# KiCad board AMC_FMC_Carrier-PcbDoc.kicad_pcb (continued)
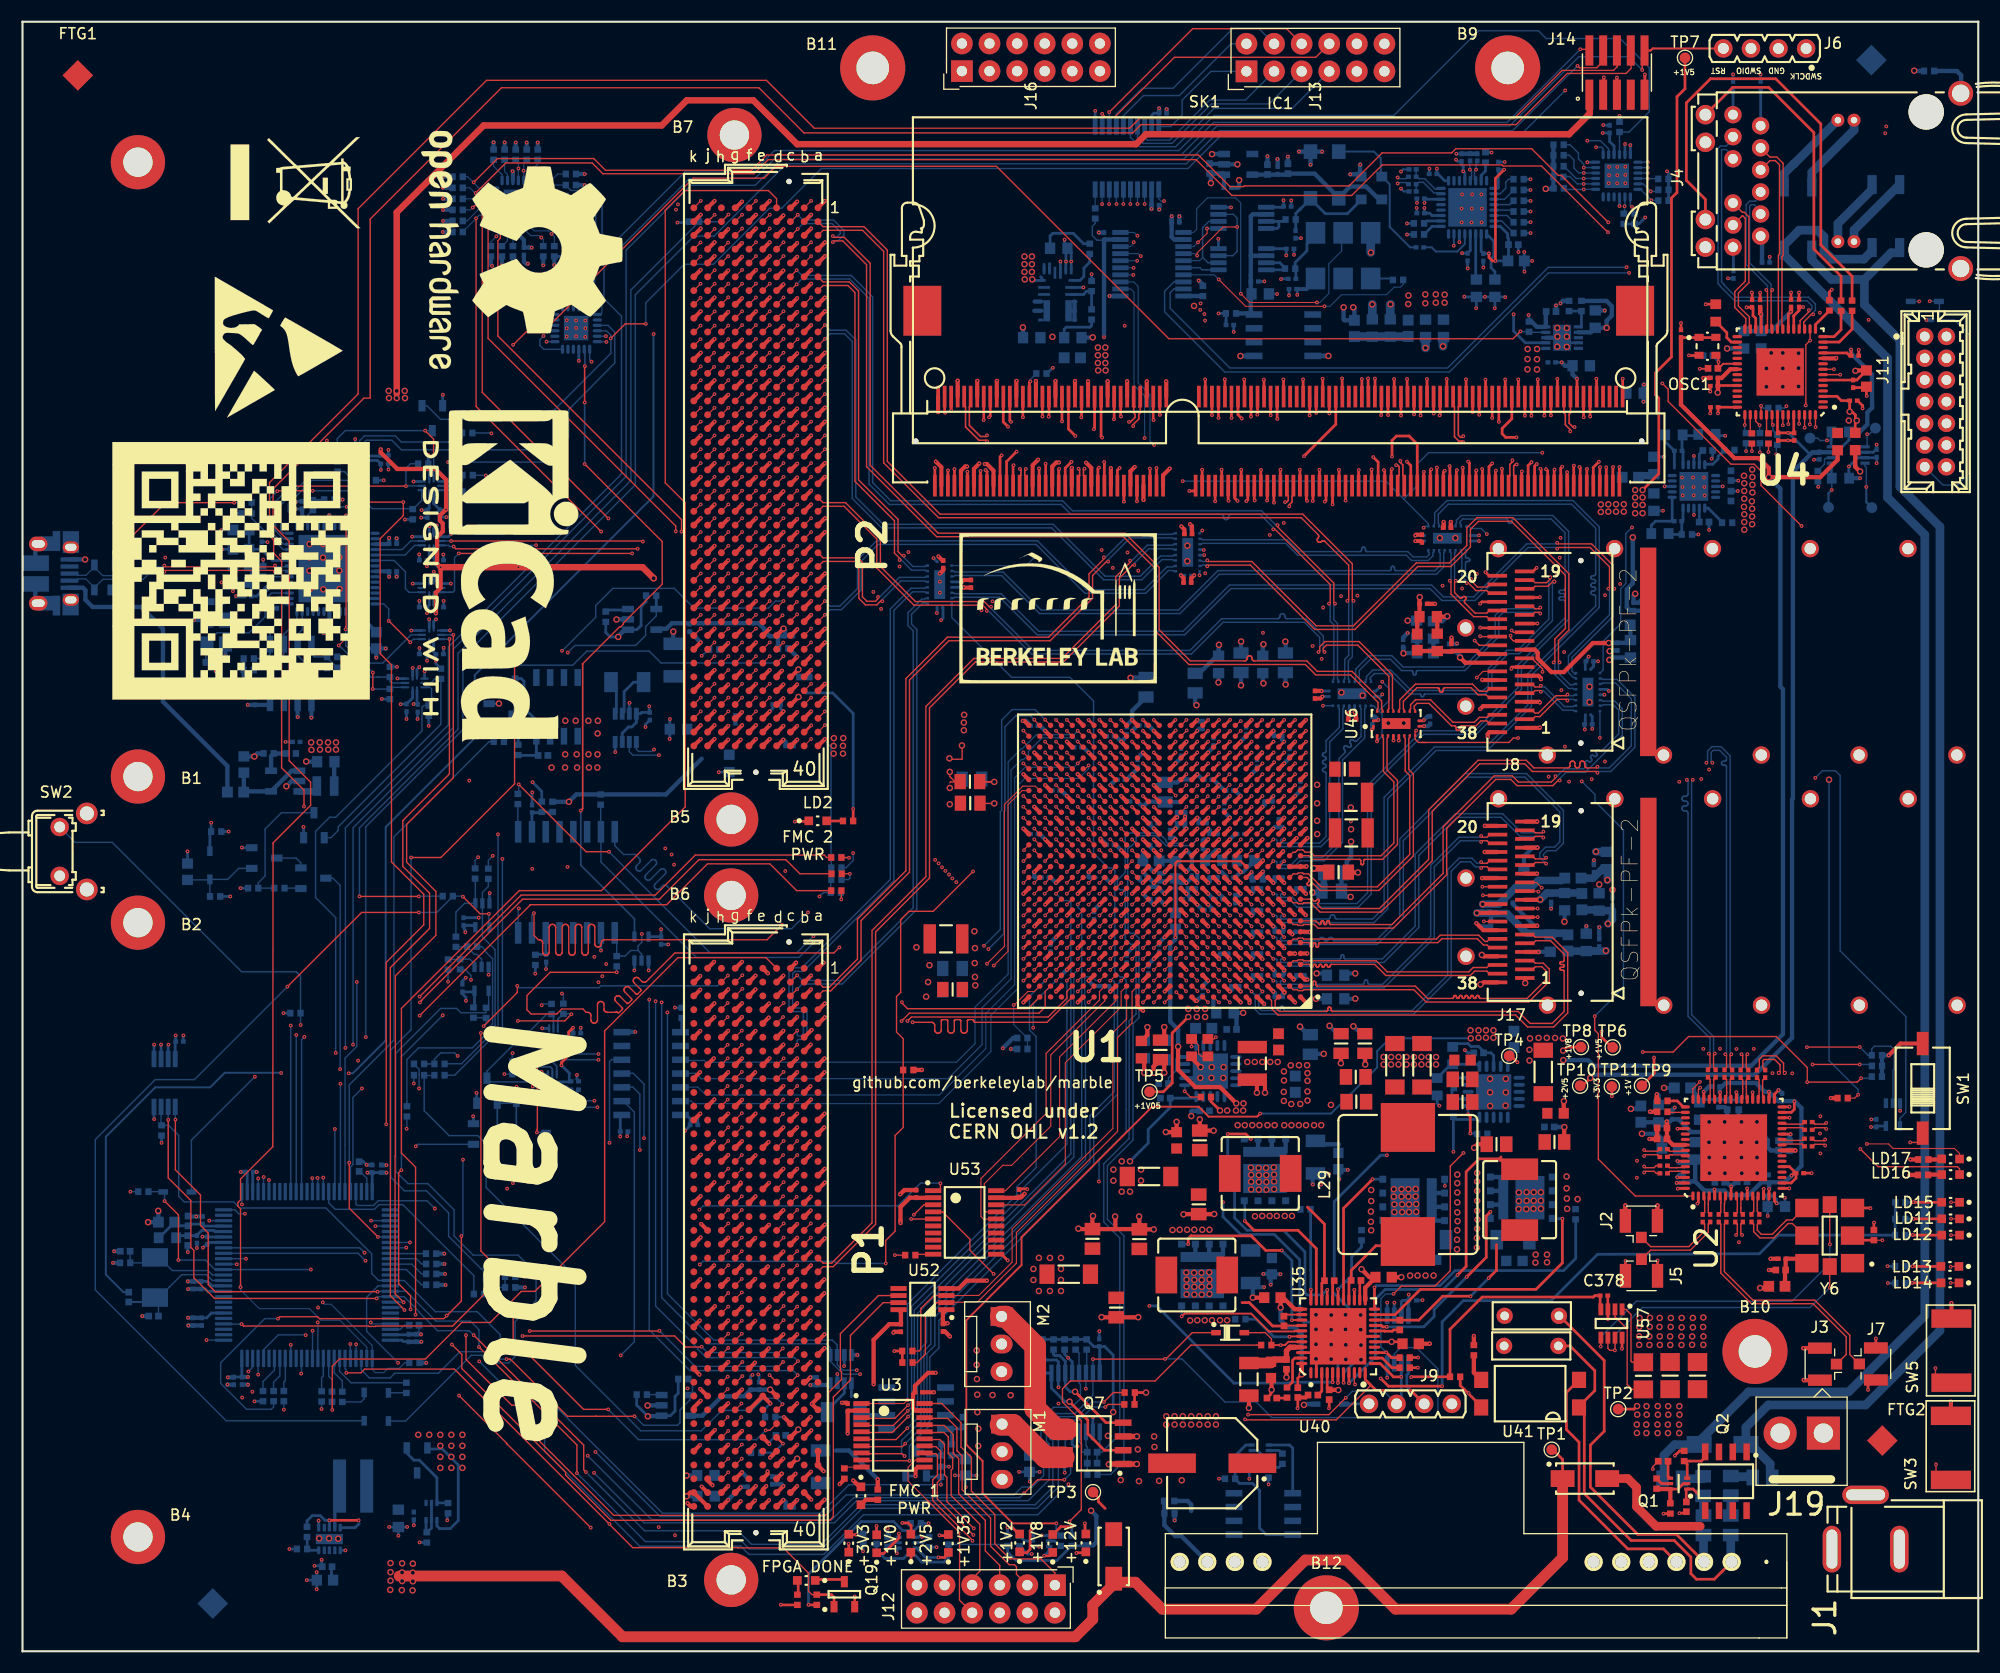
[diagram p0: board, top side]
## Routing (per net, layer and track width the routed paths; a pad name or vN(x,y) marks a point on that pad's centre or on a via; arc(x,y) is an arc through that point) (continued)
  Top w0.127: v1(169.15,46.23) 170.77,44.61 178.08,44.61 178.28,44.41 LD16.1
  In2.Cu w0.127: v1(147.86,126.88) 151.04,126.88 153.58,124.33 166.37,124.33 171.31,119.4 171.31,110.4 171.19,110.29 171.19,50.9 169.15,48.86 v1(169.15,46.23)
  Bottom w0.127: v1(147.86,126.88) 140.43,126.88 131.32,117.76 110.65,117.76 105.12,123.29 105.12,125.2 105.97,126.05 U42.8
Net-(LD16-Pad2): length 1.5
  Top w0.4: 175.47,43.93 R18.2 175.42,43.88 LD16.2 176.71,43.96
Net-(LD17-Pad1): length 162.7
  Top w0.102: LD17.1 178.28,45.82 177.82,46.28 172.16,46.28 171.74,46.7 v1(169.75,46.7)
  In2.Cu w0.127: v1(147.63,127.4) 151.29,127.4 152.65,126.04 161.04,126.04 161.04,126.04 167.48,126.04 171.73,121.8 171.73,55.33 171.42,55.02 171.42,48.37 v1(169.75,46.7)
  Bottom w0.127: U42.9 105.97,125.4 105.62,125.05 105.62,123.62 111.12,118.13 131.15,118.13 140.42,127.4 v1(147.63,127.4)
Net-(LD17-Pad2): length 1.4
  Top w0.4: 175.46,45.32 R19.2 176.71,45.27
Net-(M1-Pad1): length 7.1
  Top w2: 90.01,20.84 91.17,20.84 94.16,17.86 95.83,17.86
Net-(M1-Pad3): length 15.6
  In2.Cu w0.254: v1(95.35,24.3) 94.1,23.05 94.1,19.7 90.16,15.76 90.01,15.76
  GND5.Cu w0.254: 90.01,15.76 90.16,15.76
  Bottom w0.254: R175.2 93.88,27.17 94.23,26.81 95.15,26.81 95.34,26.63 U27.2 95.34,24.31 v1(95.35,24.3)
Net-(M2-Pad1): length 13.8
  Top w2: 90.04,30.8 90.51,30.8 93.2,28.11 93.2,22.34 95.11,20.44 96.15,20.44
Net-(M2-Pad3): length 9.2
  In2.Cu w0.254: 90.04,25.72 94.33,25.72 95.63,27.01 v1(96.23,27.01)
  Bottom w0.254: 96.58,25.58 U27.4 96.61,26.65 96.6,26.65 v1(96.23,27.01) 95.91,27.34 R177.2
Net-(P1-PadC34): length 1.6
  Top w0.381: P1.C34 v1(70.08,21.56)
  Bottom w0.2: v1(70.08,21.56) 70.07,21.56 R9.2
Net-(P1-PadD35): length 3.2
  Top w0.2: P1.D35 69.97,19.12 v1(69.99,19.12)
  Top w0.381: P1.D35 69.43,19.69
  Bottom w0.2: v1(69.99,19.12) 69.15,18.28 R10.2
Net-(P2-PadC34): length 1.7
  Top w0.381: P2.C34 70.72,90.96 v1(71.29,91.53)
  Bottom w0.4: v1(71.29,91.53) 70.71,92.12
Net-(P2-PadD35): length 10.8
  Top w0.381: P2.D35 69.4,89.77 v1(69.9,90.26)
  In4.Cu w0.127: v1(69.9,90.26) 69.45,90.71 69.45,91.84 69.07,92.22 63.09,92.22 v1(62.51,91.63)
  Bottom w0.127: R12.2 63.14,92.22 62.76,91.84 62.71,91.84 v1(62.51,91.63)
Net-(Q1-Pad2): length 4.4
  Top w0.254: Q1.6 152.37,14.93 152.87,15.43 Q1.2
  Top w0.4: R104.1 151.66,14.91 Q1.6 150.42,14.93 R107.1
Net-(Q1-Pad3): length 4.2
  Top w0.254: Q2.4 154.87,17.87 154.5,17.5 R108.1 153.21,17.22 Q1.3
Net-(Q1-Pad5): length 1.4
  Top w0.254: Q1.5 150.86,15.43 R107.2
Net-(Q6-Pad3): length 16.6
  Top w0.127: v1(37.06,112.36) 37.83,111.59 37.83,110.1 v1(37.84,110.1)
  Bottom w0.127: U26.2 37.84,110.1 v1(37.84,110.1) ; 37.84,112.29 37.77,112.36 v1(37.06,112.36) 29.7,112.36 28.97,111.62 R204.2 28.97,110.56 29.51,110.02 U33.2
Net-(Q7-Pad2): length 14.3
  Top w0.254: v2(96.36,22.98) 96.36,22.97 98.04,21.29 98.04,20.03 99.57,18.51 101.3,18.51
  Bottom w0.254: v2(96.36,22.98) 95.94,22.98 94.7,24.22 U27.1 94.25,25.6 92.86,26.99 R174.2
Net-(Q7-Pad4): length 10.8
  Top w0.254: Q7.4 99.72,21.05 v2(96.87,23.89)
  Bottom w0.254: v2(96.87,23.89) 96.42,23.89 95.97,24.34 U27.3 95.97,26.71 95.45,27.22 94.99,27.22 94.89,27.32 R176.2
Net-(Q8-Pad3): length 3.5
  Bottom w0.254: Q8.3 82.87,18.44 83.28,18.02 R202.2 R213.1
Net-(Q9-Pad3): length 5
  Bottom w0.254: R214.1 45.62,86.05 45.56,86.1 ; Q9.3 45.31,86.34 45.31,88.56
Net-(Q14-Pad1): length 1.5
  Bottom w0.127: Q14.1 25.58,70.25 R269.2
Net-(Q14-Pad2): length 2.9
  Bottom w0.127: Q18.3 25.17,73.02 25.62,72.56 Q14.2
Net-(Q15-Pad2): length 4.1
  Bottom w0.254: Q15.6 37.14,11.02 R171.1 37.25,10.95 37.64,11.34 Q15.5 Q15.2
Net-(Q15-Pad3): length 7.4
  Bottom w0.254: 35.22,18.62 35.22,18.39 36.01,17.59 36.52,17.59 38.14,15.98 Q15.3 39.07,13.66 39.09,13.64
Net-(Q16-Pad5): length 4.4
  Bottom w0.254: 76.65,22.45 R182.1 ; U17.1 76.28,23.42
  Bottom w0.4: R182.1 77.37,21.73 Q16.6
Net-(Q17-Pad3): length 13.2
  Bottom w0.127: U9.2 43.09,52.41 Q17.3 42.75,53.41 45.11,55.77 45.74,55.77 46.06,56.09 R131.2 46.06,56.63 U8.2
Net-(Q22-Pad2): length 4.3
  Bottom w0.254: Q22.2 113.67,18.48 114.17,17.98 Q22.6 114.71,16.95 R181.1 115.62,16.92 R184.1
Net-(Q22-Pad3): length 13.5
  Bottom w0.254: Q4.4 114.46,10.73 113.86,11.34 113.86,14.8 113.21,15.45 112.01,15.45 111.61,15.85 R212.1 111.61,18.01 112.59,18.98 Q22.3
Net-(Q22-Pad5): length 1.4
  Bottom w0.254: Q22.5 115.66,18.48 R184.2
Net-(Q23-Pad5): length 3.2
  Bottom w0.254: U32.1 54.66,86.42 54.66,88.71 R183.1
Net-(Q24-Pad1): length 21.1
  Bottom w0.127: U24.4 37.58,89.13 37.96,89.51 R273.2 38.5,85.33 29.05,75.89 29.05,75.56 28.39,74.89 Q24.1
Net-(Q24-Pad3): length 12.3
  Bottom w0.127: R269.1 R271.1 21.7,70.74 22.32,71.36 22.32,75.68 23.83,77.19 Q24.3
Net-(Q26-Pad2): length 1.4
  Bottom w0.254: 82.24,10.02 82.87,10.02 83.37,10.52 R247.2
Net-(Q26-Pad5): length 1.2
  Bottom w0.254: 80.66,10.02 80.04,10.02 R250.2
Net-(Q27-Pad2): length 1.3
  Bottom w0.254: R253.2 95.45,9.71 95,10.15 94.46,10.15
Net-(Q27-Pad5): length 1.3
  Bottom w0.254: 92.88,10.15 92.24,10.15 R255.2
Net-(R4-Pad2): length 1.6
  Top w0.102: U3.10 75.76,16.96 R4.2
Net-(R5-Pad2): length 1.7
  Bottom w0.102: R5.2 98.72,132.82 U12.10
Net-(R6-Pad2): length 1.7
  Bottom w0.4: R6.2 108.62,124.75 106.92,124.75
Net-(R7-Pad2): length 1.7
  Top w0.127: 83.81,36.54 82.25,36.54 R7.2
Net-(R8-Pad2): length 1.3
  Bottom w0.254: R8.2 60.68,57.02 60.67,57.01
Net-(R21-Pad2): length 3.4
  Bottom w0.127: U54.94 23.19,26.96 23.19,25.89 22.13,24.83 R21.2
Net-(R24-Pad2): length 3.5
  Bottom w0.254: U58.1 97.32,126.19 97.69,126.55 97.69,127.32 98.22,127.85 R24.2
Net-(R26-Pad2): length 3.7
  Bottom w0.254: R26.2 R27.1 97.95,125.2 97.65,124.89 U58.3
Net-(R30-Pad1): length 2.9
  Bottom w0.254: U31.1 143.49,121.91 143.48,121.92 R31.1 R30.1
Net-(R33-Pad1): length 1.9
  Top w0.254: U2.49 152.85,50.11 152.3,50.66 R33.1
Net-(R34-Pad1): length 1.7
  Top w0.127: R34.1 151.45,49.61 U2.50
Net-(R43-Pad1): length 2.4
  Bottom w0.102: R43.1 44.14,129.34 44.64,129.84 U5.23
Net-(R44-Pad1): length 2.2
  Bottom w0.102: U5.22 45.14,129.34 R44.1
Net-(R51-Pad1): length 2
  Bottom w0.102: R51.1 44.37,136.21 44.64,135.94 U5.8
Net-(R52-Pad1): length 2.2
  Bottom w0.102: U5.7 44.14,135.94 44.02,136.06 43.99,136.06 43.35,136.69 R52.1
Net-(R64-Pad1): length 12.8
  Top w0.127: v1(166.71,118.01) 166.71,118.01 U4.8
  In2.Cu w0.127: v1(166.08,111.46) 166.11,111.46 167.08,112.44 167.08,113.32 167.62,113.85 167.62,116.62 166.71,117.53 v1(166.71,118.01)
  Bottom w0.127: R64.1 166.5,111.48 166.48,111.46 v1(166.08,111.46) 165.48,111.45 165.45,111.45 165.22,111.67 TP26.1
  Bottom w0.254: 166.46,110.9 166.46,112.2 R64.1
Net-(R65-Pad2): length 2.2
  Top w0.254: U4.15 165.02,122.12 166.3,123.41 R65.2
Net-(R66-Pad2): length 3.1
  Top w0.254: 155.89,122.4 R66.2 156.85,121.38 156.85,120.93 157.27,120.51 U4.30
Net-(R67-Pad2): length 3.7
  Top w0.254: U4.14 166.73,121.01 167.37,121.65 R67.2
Net-(R72-Pad2): length 2.5
  Bottom w0.254: U47.20 154.87,109.27 155.57,109.27 156.05,109.76 156.05,109.98 156.62,110.55 R72.2
Net-(R73-Pad2): length 2.2
  Bottom w0.254: R73.2 156.42,103.95 155.14,105.22 U47.6
Net-(R74-Pad2): length 3.3
  Top w0.254: v1(133.25,47.67) 133.25,49.22 v1(133.04,49.42)
  Bottom w0.254: U36.11 133.04,49.42 v1(133.04,49.42) ; R74.2 133.84,47.67 v1(133.25,47.67)
Net-(R76-Pad2): length 2.3
  Top w0.127: v1(106.96,51.55) 107.49,51.02 R76.2
  Bottom w0.127: v1(106.96,51.55) 106.97,51.56 U37.11
Net-(R83-Pad1): length 3
  Bottom w0.102: U5.17 48.37,132.69 v1(49.15,131.92) R83.1
Net-(R91-Pad1): length 2.8
  Bottom w0.102: R91.1 v1(49.18,132.93) 49.18,132.95 48.94,133.19 U5.16
Net-(R92-Pad2): length 3.8
  Bottom w0.254: U16.4 116.08,127.16 R92.2 116.19,127.34 115.72,127.81 U16.3
Net-(R93-Pad2): length 3.6
  Bottom w0.254: 115.63,131.62 116.07,131.62 R93.2 ; 115.63,131.62 115.63,131.13 115.47,130.97 U19.4 ; 115.63,131.62 U19.3
Net-(R94-Pad2): length 1.8
  Bottom w0.254: R94.2 134.65,136.25 134.25,135.85 U20.7
Net-(R95-Pad2): length 1.9
  Bottom w0.127: R95.2 136.87,133.16 U20.12
Net-(R96-Pad2): length 1.9
  Bottom w0.254: U20.25 129.74,131.16 R96.2
Net-(R97-Pad2): length 1.7
  Bottom w0.254: R97.2 128.98,131.42 128.98,131.38 129.25,131.66 U20.26
Net-(R98-Pad2): length 1.8
  Bottom w0.127: R98.2 137.09,132.66 U20.13
Net-(R99-Pad2): length 2
  Bottom w0.127: R99.2 137.23,131.56 136.62,132.16 U20.14
Net-(R100-Pad2): length 2.3
  Bottom w0.127: U20.15 136.13,131.66 137.23,130.57 R100.2
Net-(R101-Pad2): length 2.7
  Bottom w0.127: R101.2 136.78,135.5 136.51,135.24 136.51,134.68 136,134.16 U20.10
Net-(R102-Pad2): length 2.1
  Bottom w0.127: R102.2 137.23,134.49 136.4,133.66 U20.11
Net-(R103-Pad1): length 2.1
  Bottom w0.178: R103.1 125.99,126.37 Y3.4
Net-(R109-Pad2): length 2.2
  Bottom w0.254: R109.2 26.2,10.51 R110.1 26.32,9.3 U18.5
Net-(R112-Pad2): length 6.1
  Bottom w0.127: R112.2 R116.1 21.09,104.3 23.98,101.41 U23.11
Net-(R113-Pad2): length 3.9
  Bottom w0.127: U21.4 26.59,91.81 26.86,91.53 R113.2 28.03,91.48 28.97,90.54 R114.1
Net-(R114-Pad2): length 7.4
  Bottom w0.127: U23.55 25.75,94.03 25.74,94.03 25.32,93.61 U21.3 25.32,91.67 26.48,90.52 R114.2
Net-(R115-Pad2): length 7.8
  Bottom w0.127: U23.56 25.25,94.81 24.05,93.61 24.05,91.81 22.57,90.33 R115.2
Net-(R117-Pad2): length 7.3
  Bottom w0.127: U23.1 24.02,96.41 23.9,96.29 23.9,95.08 22.78,93.96 U21.1 22.78,91.81 22.35,91.38 R117.2
Net-(R118-Pad2): length 2.8
  Bottom w0.4: R118.2 R119.1 22.88,82.4 U22.5
Net-(R120-Pad2): length 2.4
  Bottom w0.127: R120.2 22.17,98.91 U23.6
Net-(R121-Pad2): length 21.1
  Top w0.127: v1(32.23,88.57) 32.24,88.59 v1(32.24,90.08) ; v1(29.74,94.07) 29.74,94.32 29.78,94.36 v1(29.78,104.56)
  Bottom w0.127: U24.8 33.96,88.73 R121.2 33.8,88.57 v1(32.23,88.57) ; 32.22,90.11 v1(32.24,90.08) ; v1(29.74,94.07) 29.75,94.07 29.75,92.58 32.23,90.1 ; v1(29.78,104.56) 29.78,103.64 U23.24
Net-(R122-Pad2): length 21.5
  Top w0.127: v1(23.44,106.78) 23.48,106.82 v1(26.71,106.82)
  Bottom w0.127: U26.8 36.74,105.94 35.98,105.17 32.19,105.17 30.54,106.82 v1(26.71,106.82) ; U23.12 24.02,101.91 22.73,103.2 22.73,106.05 23.27,106.58 23.27,106.61 v1(23.44,106.78)
Net-(R123-Pad2): length 21.9
  Top w0.102: v1(30.74,104.56) 31.24,104.07 31.24,96.55 30.26,95.57 30.26,93.74 v1(29.11,92.59)
  Bottom w0.102: U23.26 30.75,104.56 v1(30.74,104.56)
  Bottom w0.127: U24.9 33.95,89.13 33.82,89.26 R123.2 32.67,89.68 32.66,89.67 ; 32.66,89.67 32.08,89.67 29.38,92.36 29.33,92.36 v1(29.11,92.59) ; 32.66,89.67 32.8,89.67
Net-(R124-Pad2): length 21.3
  Top w0.127: v1(24.74,107.29) 24.77,107.25 v1(35.29,107.25)
  Bottom w0.127: U26.9 35.32,107.28 v1(35.29,107.25) 35.29,108.89 35.71,109.31 R124.2 ; U23.13 24.02,102.41 23.3,103.13 23.3,105.84 24.56,107.11 24.56,107.12 v1(24.74,107.29)
Net-(R125-Pad2): length 12.6
  Bottom w0.127: U23.14 24.02,102.91 23.76,103.17 23.76,105.5 26.84,108.59 R125.2 29.64,108.59 30.16,108.07 30.68,108.07 31.04,108.42 U33.9
Net-(R126-Pad2): length 11.5
  Bottom w0.127: U33.8 31.44,107.93 R126.2 26.64,107.79 24.46,105.6 24.46,104.92 25.25,104.14 U23.15
Net-(R135-Pad2): length 3.2
  Bottom w0.127: R135.2 23.11,24.78 23.68,25.35 U54.93
Net-(R136-Pad2): length 3.1
  Bottom w0.127: R136.2 24.05,24.78 24.18,24.91 U54.92
Net-(R151-Pad2): length 7.8
  Bottom w0.127: R151.2 30.24,24.72 29.18,25.77 U54.82
Net-(R152-Pad2): length 3.4
  Bottom w0.127: U54.83 28.68,25.63 29.44,24.88 R152.2
Net-(R153-Pad2): length 3.2
  Bottom w0.127: R153.2 28.48,25.01 28.18,25.31 U54.84
Net-(R154-Pad2): length 3.1
  Bottom w0.127: U54.85 27.68,26.63 27.68,26.63 27.68,25.34 27.53,25.19 R154.2
Net-(R156-Pad2): length 4.8
  Top w0.254: U4.13 167.2,120.51 168.39,121.7 R156.2
Net-(R161-Pad1): length 1.4
  Top w0.254: U1.M6 v1(113.12,71.73)
  Bottom w0.4: R161.1 113.12,71.16 v1(113.12,71.73)
Net-(R168-Pad2): length 4.5
  Bottom w0.254: R189.1 131.47,54.03 R168.2 133.9,54.03 U36.16
Net-(R190-Pad2): length 5.9
  Top w0.178: v1(116.61,28.95) 116.65,28.99 U35.39
  Bottom w0.254: v1(116.61,28.95) 115.16,28.95 113.54,30.57 R190.2
Net-(R191-Pad2): length 8.4
  Top w0.254: v1(118.57,33.28) 118.58,33.28 U35.33
  Bottom w0.254: R191.2 118.55,35.08 118.57,35.06 v1(118.57,33.28)
Net-(R192-Pad2): length 6.4
  Top w0.254: v1(121.08,33.33) 121.08,33.32 U35.28
  Bottom w0.254: R192.2 123.24,37.23 122.32,36.31 122.32,34.57 v1(121.08,33.33)
Net-(R193-Pad2): length 3.6
  Top w0.254: U35.43 117.1,26.99 116.89,26.77 116.89,24.79 R193.2
Net-(R194-Pad2): length 25.2
  Top w0.254: U35.22 v1(124.43,33.49)
  Bottom w0.254: 142.85,39.71 142.95,39.61 142.95,36.16 141.83,35.04 131.85,35.04 130.47,33.66 124.6,33.66 v1(124.43,33.49)
Net-(R195-Pad2): length 3.8
  Top w0.102: R195.2 108.49,54.77 108.25,55.01 108.25,55.76 107.65,56.37 R196.1 v1(107.6,55.67)
  Bottom w0.102: U37.16 107.93,55.67 v1(107.6,55.67)
Net-(R197-Pad2): length 7.6
  Bottom w0.4: U40.9 106.66,10.61 106.09,10.61 105.09,11.61 R198.1 105.09,13.81 R197.2
Net-(R200-Pad2): length 1.6
  Bottom w0.127: U23.17 26.25,104.58 26.7,105.03 R200.2
Net-(R210-Pad2): length 2.6
  Bottom w0.127: R210.2 45.59,75.46 U30.1
Net-(R259-Pad2): length 2.3
  Bottom w0.254: U55.3 55.65,95.85 53.6,95.85 53.51,95.76
Net-(R261-Pad2): length 1.4
  Bottom w0.127: U43.3 58.78,23.63 R261.2
Net-(R262-Pad2): length 1.8
  Bottom w0.127: 166.24,109.81 165.95,109.81 165.85,109.71 165.85,109.28 165.24,108.67 R262.2
Net-(R263-Pad2): length 248.7
  Top w0.127: v1(176.11,17.21) 176.11,15.77 SW3.2
  In2.Cu w0.127: v1(25.6,57.65) 25.6,52.19 17.19,43.78 v1(17.19,39.64) 17.19,30.83 22.04,25.97 22.04,23.21 24.61,20.64 40.54,20.64 40.79,20.39 51.56,9.64 66.56,9.64 67.58,8.63 78.46,8.63 79.52,7.56 98.73,7.56 104.95,13.78 106.75,13.78 113.33,20.36 144.3,20.36 148.34,24.41 170.91,24.41 174.01,21.3 174.01,19.31 v1(176.11,17.21)
  Bottom w0.127: 25.51,62.23 25.55,62.2 ; 25.51,62.23 25.59,62.16 ; 25.51,62.23 25.19,62.55 ; U54.23 18.51,39.64 v1(17.19,39.64) ; v1(25.6,57.65) 25.59,57.66 R263.2 25.59,62.16 ; 25.19,62.55 20.16,62.55 8.25,74.46 4.83,74.46 SW2.2 ; 25.19,62.55 25.59,62.16
Net-(R274-Pad2): length 4.3
  Bottom w0.102: U5.18 48.21,132.19 49.5,130.9 R42.1
  Bottom w0.127: R42.1 R274.2
Net-(R281-Pad1): length 2.5
  Top w0.4: R281.1 133.58,25.66 U41.3
Net-(R283-Pad2): length 41.6
  Top w0.127: U1.T5 v1(114.1,75.71)
  Top w0.13: v1(76.07,73.04) 76.04,73.07 R286.1
  In2.Cu w0.127: v1(114.1,75.71) 113.72,75.33 109.21,75.33 108.43,74.55 108.43,74.52 107.99,74.08 102.4,74.08 102.38,74.1 100.98,74.1 100.47,73.58 100.47,73.44 100.3,73.27 96.42,73.28 96.37,73.34 85.03,73.34 85.03,73.33 84.49,73.33 84.01,72.85 v1(84,72.85)
  In4.Cu w0.127: v1(84,72.85) 77.03,72.85 76.84,73.04 v1(76.07,73.04)
  Bottom w0.13: R283.2 75.4,73.04 v1(76.07,73.04)
Net-(R284-Pad1): length 48.7
  Top w0.127: 116.62,75.23 v1(117.09,75.71) ; v1(76.15,71.57) R287.1
  In2.Cu w0.127: v1(104.81,73.74) 104.4,73.32 101.03,73.32 100.62,72.92 95.47,72.92 95.29,73.11 84.89,73.11 v1(84.31,72.53)
  In4.Cu w0.127: v1(84.31,72.53) 83.35,71.57 v1(76.15,71.57)
  GND5.Cu w0.127: 76.15,71.56 v1(76.15,71.57)
  In9.Cu w0.127: 106.22,77.39 105.55,77.39 104.81,76.65 v1(104.81,73.74) ; 106.22,77.39 111.28,77.39 111.3,77.41 111.94,77.41 112.96,76.39 116.17,76.39 116.85,75.71 v1(117.09,75.71) ; 106.22,77.39 106.14,77.39
  Bottom w0.13: R284.1 76.02,71.03 76.15,71.16 v1(76.15,71.57)
Net-(R285-Pad1): length 43.5
  Top w0.102: U1.P5 v1(114.12,73.73)
  Top w0.13: R288.1 75.37,69.23 v1(75.35,69.21)
  In2.Cu w0.127: v1(85.27,71.5) 85.42,71.65 86.52,71.65 87.2,70.98 91.73,70.98 91.86,71.11 99.29,71.11 99.31,71.08 100.93,71.08 101.2,71.35 109.37,71.35 109.7,71.68 109.7,71.83 110.56,72.69 113.08,72.69 v1(114.12,73.73)
  In4.Cu w0.127: v1(85.27,71.5) 83.44,69.66 75.81,69.66 v1(75.35,69.21)
  Bottom w0.13: v1(75.35,69.21) 75.32,69.24 R285.1
Net-(R291-Pad1): length 1.7
  Top w0.13: v1(158.51,112.89) 158.52,112.9 U4.43
  Bottom w0.13: R291.1 158.51,112.26 v1(158.51,112.89)
Net-(R292-Pad1): length 1.6
  Top w0.127: U4.46 160,113.83 v1(160,114.64)
  Bottom w0.127: v1(160,114.64) 160.21,114.44 R292.1
Net-(R293-Pad1): length 1.8
  Top w0.127: U4.44 159.02,112.26 R293.1
Net-(R294-Pad1): length 1.8
  Top w0.127: v1(159.88,112.86) 159.52,113.22 U4.45
  Bottom w0.127: v1(159.88,112.86) 159.88,112.16 R294.1
Net-(R295-Pad1): length 1.8
  Top w0.127: R295.1 160.52,112.28 U4.47
Net-(R296-Pad1): length 2
  Top w0.127: v1(161.1,112.89) 161.02,112.97 U4.48
  Bottom w0.127: v1(161.1,112.89) 161.1,112.39 R296.1
Net-(TP27-Pad1): length 10.4
  Top w0.127: U4.7 167.29,117.51 v1(167.29,117.51)
  In2.Cu w0.127: v1(167.29,117.51) 169.77,115.03 v1(169.77,112.03)
  Bottom w0.127: TP27.1 169.97,112.03 v1(169.77,112.03) 169.77,110.92 169.7,110.85 169.58,110.85
Net-(U1-PadAA2): length 0.7
  Top w0.2: U1.AA2 v1(117.12,80.73)
Net-(U1-PadD11): length 0.7
  Top w0.102: U1.D11 v1(108.12,62.73)
Net-(U1-PadG11): length 0.7
  Top w0.102: U1.G11 v1(108.12,65.73)
Net-(U1-PadJ14): length 0.7
  Top w0.102: U1.J14 v1(104.12,67.73)
Net-(U1-PadV12): length 52.9
  Top w0.102: U1.V12 v1(107.12,77.73)
  In4.Cu w0.102: v1(107.12,77.73) 106.46,78.39 106.46,79.02 104.73,80.75 104.73,94.91 105.46,95.63 105.46,107.94 105.97,108.45 105.97,109.79 104.09,111.67 v1(103.27,111.67)
  Bottom w0.102: U42.12 101.99,125.4 102.3,125.1 102.3,116.54 103.27,115.56 v1(103.27,111.67)
Net-(U1-PadW20): length 0.7
  Top w0.11: U1.W20 98.11,78.74 v1(98.11,78.74)
Net-(U1-PadY13): length 51.3
  Top w0.102: U1.Y13 105.67,79.23 v1(106.13,78.77)
  In4.Cu w0.102: v1(106.13,78.77) 104.52,80.38 104.52,94.99 105.1,95.57 105.1,110.09 v1(104.15,111.04)
  Bottom w0.102: U42.13 102.27,126.05 102.68,125.64 102.68,116.77 103.77,115.67 103.77,111.42 v1(104.15,111.04)
Net-(U1-PadY21): length 0.7
  Top w0.11: v1(97.12,79.73) 97.12,79.73 U1.Y21
Net-(U15-Pad8): length 6.4
  Bottom w0.127: U15.8 35.58,97.48 35.24,97.82 35.24,99.37 34.2,100.41 U23.34
Net-(U20-Pad28): length 0
  Bottom w0.178: 130.54,132.67 130.53,132.68
Net-(U23-Pad32): length 4.6
  Bottom w0.127: U23.32 34.93,101.41 35.72,102.2 U38.9
Net-(U23-Pad33): length 4.7
  Bottom w0.127: U38.8 36.1,101.8 35.21,100.91 U23.33
Net-(U23-Pad42): length 6.5
  Top w0.127: v1(35.68,92.88) 33.72,94.85 v1(33.7,94.85)
  Bottom w0.127: U23.42 33.24,96.41 33.7,95.95 v1(33.7,94.85) ; U25.8 35.97,93.16 v1(35.68,92.88)
Net-(U23-Pad46): length 11.3
  Bottom w0.127: U25.9 35.76,93.56 33.16,90.96 31.98,90.96 30.25,92.69 U23.46
Net-(U34-Pad1): length 0.9
  Bottom w0.127: U34.1 149.58,137.07 v1(149.59,137.08)
Net-(U34-Pad2): length 0.9
  Bottom w0.127: v1(149.58,136.57) 149.57,136.57 U34.2
Net-(U34-Pad3): length 0.9
  Bottom w0.127: v1(149.58,136.08) 149.57,136.07 U34.3
Net-(U40-Pad3): length 23.9
  Top w0.254: U40.3 151.02,9.43 147.74,9.43 143.26,13.91 143.26,19.25 142.09,20.41 142.09,23.82 143.33,25.06 143.74,25.06
Net-(U48-Pad9): length 93.2
  In9.Cu w0.127: v1(165,80.4) 162.09,80.4 158.16,76.47 151.6,76.47 148.37,79.7 122.69,79.7 118.68,83.71 118.68,86.02 v1(119.69,87.04)
  Bottom w0.127: U48.9 119.84,87.04 119.83,87.04 ; U56.4 172.8,49.06 173.33,49.6 173.33,58.43 167.29,64.48 167.29,80.62 166.85,81.05 165.66,81.05 v1(165,80.4)
Net-(U54-Pad55): length 0.2
  Bottom w0.127: 34.03,38.62 34.02,38.64 U54.55
Net-(U58-Pad4): length 2.3
  Bottom w0.4: U58.4 U58.6 ; U58.5 U58.A4

## Copper pours and planes (outline as drawn; the poured copper is in the pictures)
+1V0 on Top: 115.41,58.13 124.74,58.13 125.57,57.29 130.27,57.29 130.55,57.01 130.55,54.22 129.82,53.48 125.09,53.48 124.56,54.02 124.56,55.31 124,55.87 114.94,55.87 114.97,57.65
+1V0 on Top: 117.68,82.29 121.74,82.29 121.72,73.92 117.7,73.93 117.68,80.15
+1V0 on In4.Cu: 107.87,66.95 103.65,66.86 102.37,67.93 102.33,75.53 104.03,77.09 115.57,77.11 115.65,77.19 127.81,77.12 130.71,74.24 130.78,52.62 129.56,52.62 112.72,52.62 112.72,64.3 110.08,66.95
+1V0 on GND5.Cu: 104.8,67.25 102.51,69.54 102.51,76.77 103.12,77.38 114.61,77.42 114.63,77.44 129.76,77.38 130.93,76.33 130.91,52.97 128.6,52.92 111.76,52.92 111.76,64.61 109.12,67.25
+1V0 on PWR6.Cu: 110.97,67.17 105.19,67.18 102.83,68.99 102.81,76.98 103.15,77.26 117,77.41 119.12,80.23 132.62,80.22 132.59,74.29 132.66,53.48 132.66,52.85 115.82,52.85 115.82,64.53 113.18,67.17
+1V5 on Bottom: 100.15,117.26 96.69,117.26 96.69,120.06 96.72,120.06 97.05,120.39 100.15,120.44
+1V5 on Bottom: 147.98,104.51 145.08,104.51 144.4,105.2 144.4,108.65 147.98,108.65
+1V5 on PWR6.Cu: 149.57,103.41 145.91,99.8 145.91,80.8 119.68,80.86 118.87,79.8 117.1,77.45 116.41,76.56 115.78,76.56 115.1,77.41 99.78,77.51 99.02,78.16 99.03,83.49 95.09,87.43 87.45,87.43 87.45,122.44 149.57,122.44
+1V8 on Top: 138.14,53.63 142.13,53.63 142.13,56.68 138.14,56.68
+1V8 on Bottom: 143.86,56.33 143.86,53.23 144.7,52.52 144.68,46.75 134.34,46.75 134.34,49.01 134.92,49.77 137.11,49.77 137.11,50.54 138.4,50.56 138.4,57.57 142.62,57.57
+1V8 on Bottom: 119.06,50.03 115.41,50.03 115.41,52.06 119.07,52.06
+1V8 on Bottom: 109.02,51.68 109.02,50.54 108.79,50.31 108.79,49.19 113.39,49.19 113.39,51.88 112.83,52.44 111.05,52.44 111.05,51.68
+1V8 on PWR6.Cu: 108.63,52.63 108.63,46.57 143.48,46.62 143.34,80.34 132.88,80.37 132.89,53.13 132.38,52.62 116.05,52.62 115.31,52.63
+2V5 on Top: 92.5,36.67 96.06,36.67 96.06,32.6 92.5,32.6
+2V5 on Top: 87.43,83.73 88.75,83.73 89.82,82.67 89.82,77.08 87.43,77.08
+2V5 on Top: 85.45,67.29 87.28,67.29 88.12,66.45 88.12,60.43 87.28,59.6 85.5,59.6
+2V5 on Bottom: 60.37,83.63 62.23,81.78 75.59,81.78 75.94,82.13 75.94,85.06 75.08,85.92 60.78,85.92 60.37,85.51
+2V5 on Bottom: 106.05,55.54 106.05,56.96 105.72,57.29 105.72,57.62 105.41,57.93 103.2,57.93 102.49,57.22 102.49,55.54
+2V5 on Bottom: 61.12,12.56 61.12,17.06 68.81,17.06 68.81,12.59
+2V5 on Bottom: 87.53,82.52 89.51,82.52 89.84,82.49 89.84,77.59 87.53,77.59
+2V5 on Bottom: 85.5,65.16 88.12,65.16 88.12,60.43 87.28,59.6 85.5,59.6
+2V5 on In2.Cu: 65,82.35 61.38,82.35 61.38,85.83 65,85.83
+2V5 on In2.Cu: 96.42,32.27 90.6,32.27 88.08,29.84 88.08,21.22 78.74,11.88 61.03,11.88 61.03,18.15 73.71,18.15 79.22,23.66 79.22,30.22 86.18,37.2 96.42,37.2
+2V5 on In2.Cu: 117.15,69.41 119.84,72.02 119.84,79.34 112.6,79.34 111.67,80.36 97.9,80.36 94.85,76.9 94.85,76.05 95.49,75.34 103.46,75.35 111.81,75.35 111.99,75.2 112.17,74.87 112.17,74.54 111.46,73.83 111.46,69.82 111.86,69.41
+2V5 on PWR6.Cu: 96.87,32.35 96.85,46.28 97.29,46.79 108.35,46.96 108.38,52.84 115.12,52.86 115.15,64.66 112.9,66.84 104.66,66.81 102.62,68.34 102.59,76.83 101.85,77.4 99.44,77.4 98.49,78.22 98.46,80.94 98.5,83.1 94.82,86.97 82.12,86.99 75.23,86.97 74.05,85.63 74.18,46.64 89.61,32.35
+3V3 on Top: 99.87,45.56 103.43,45.56 103.43,41.75 99.87,41.75
+3V3 on Bottom: 95.32,128.51 94.76,127.96 94.76,126.46 94.26,125.95 91.84,125.95 91.84,129.73 95.32,129.73
+3V3 on Bottom: 159.69,109.65 159.69,103.33 158.87,102.52 156.18,102.52 155.29,103.43 155.27,109.58 157.12,111.18 158.18,111.18
+3V3 on Bottom: 121.08,124.24 123.19,124.24 123.19,121.91 121.08,121.91
+3V3 on PWR6.Cu: 179.6,145.51 179.58,143.54 179.37,79.8 179.37,61.91 179.45,61.23 179.45,2.86 179.63,2.23 179.6,0.49 48.41,0.47 48.44,18.89 68.12,18.89 68.5,19.27 68.88,19.27 69.26,18.89 114.09,18.89 116,20.79 128.19,20.79 128.19,27.78 115.49,27.78 112.95,25.24 48.44,25.24 48.44,37.81 46.28,39.97 46.28,52.54 42.09,56.73 42.09,81.75 43.1,82.77 58.98,82.77 68.12,91.91 68.12,94.71 41.32,94.71 41.32,116.81 0.56,116.81 0.56,141.81 0.57,149.44 179.54,149.51 ; 1 cut-out
+3V3 on In9.Cu: 159.34,109.46 159.75,109.21 159.7,97.75 142.92,81.78 121.94,81.78 117.5,86.22 117.5,87.95 117.52,87.98 127.3,95.8 127.25,103.93 132.74,109.44
+3V3_CLEAN on Bottom: 126.64,121.78 126.74,121.8 131.59,121.85 131.59,125.28 126.64,125.31
+3V3_CLEAN on In4.Cu: 112.61,118.13 130.79,118.11 139.19,126.29 139.12,126.19 139.09,136.75 134.88,141.01 131.07,141.01 127.21,138.32 108.66,138.32 108.58,121.78
+3V3_USB on Bottom: 24.81,82.08 27.66,82.08 28.01,81.73 28.01,78.53 29.61,78.53 29.61,83.81 29.21,84.22 24.81,84.22
+3V3_USB on In2.Cu: 17.07,78.83 17.07,68.93 21.64,68.93 22.91,70.2 22.91,75.53 26.18,78.81
+3V3_USB on In2.Cu: 38.88,110.89 38.88,87.19 30.38,78.68 17.07,78.68 17.07,110.89
+12V on Top: 155.67,25.4 148.4,25.4 148.4,31.42 155.67,31.42
+12V on Top: 104.95,20.41 110.28,20.41 111.81,21.94 111.81,23.79 113.05,25.03 116.65,25.06 116.67,27.8 109.78,27.78 104.95,22.95
+12V on Bottom: 105.41,35.4 115.47,35.42 115.47,38.37 111.78,38.37 110.72,39.44 105.41,39.41
+12V on Bottom: 111.35,45.08 121.79,45.08 121.79,49.11 111.35,49.11
+12V on Bottom: 133.32,44.62 137.13,44.62 137.13,35.35 133.32,35.35
+12V on Bottom: 128.83,39.27 129.41,38.69 129.41,35.19 131.62,35.19 132.66,36.24 132.66,44.49 128.83,44.49
+12V on Bottom: 47.99,85.97 53.32,85.97 53.32,81 47.99,81
+12V on Bottom: 91.88,29.43 91.88,23.33 93.55,21.67 93.55,16.96 85.15,16.96 85.15,19.15 83.56,20.74 83.56,25.76 87.23,29.43
+12V on In7.Cu: 86.94,12.36 82.5,12.36 78.56,8.42 57.99,8.42 56.13,8.45 50.7,13.88 50.7,28.29 60.5,28.29 60.5,22.06 63.62,18.94 75.64,18.94 86.97,30.27
+12V on In7.Cu: 170.7,48.94 170.66,12.36 86.61,12.36 86.61,33.06 102.61,49.06 135.4,49.06
+12V on In7.Cu: 55.74,86.05 55.74,61.03 60.47,56.29 60.47,25.89 50.73,25.89 50.75,51.45 48.31,53.6 47.5,53.6 47.5,86.05
